# Altium PCB PCB1.PcbDoc
Units mil, origin at the board's own origin, x right, y up, seen from the top; angles counter-clockwise.
Board outline 2725.62 x 3570.84 mil, 2 copper layers (Top Layer, Bottom Layer), stack 61.756 mil thick; 101 components, 59 nets, 327 pads, 390 vias.
Unrouted connection lines stored in the file: 285.
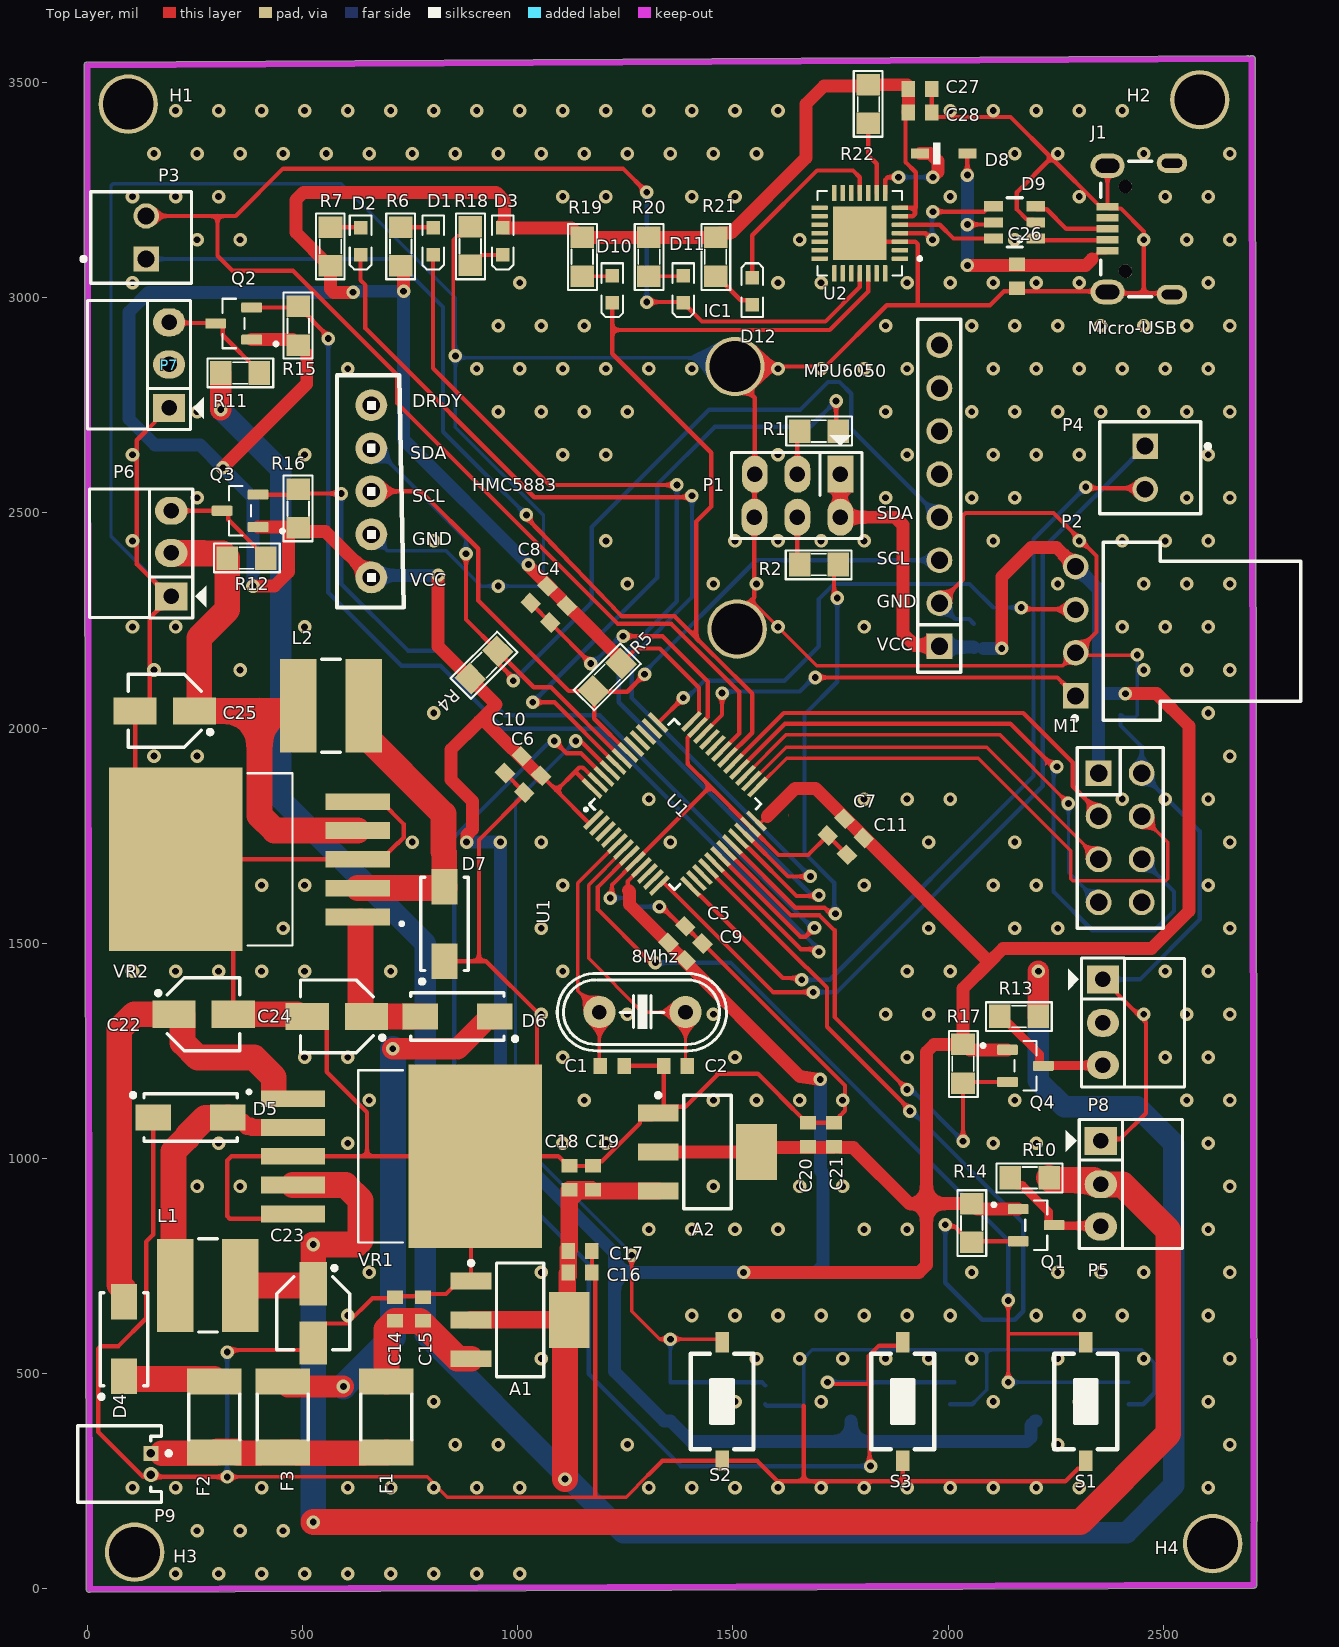
[diagram p0: Top Layer view]
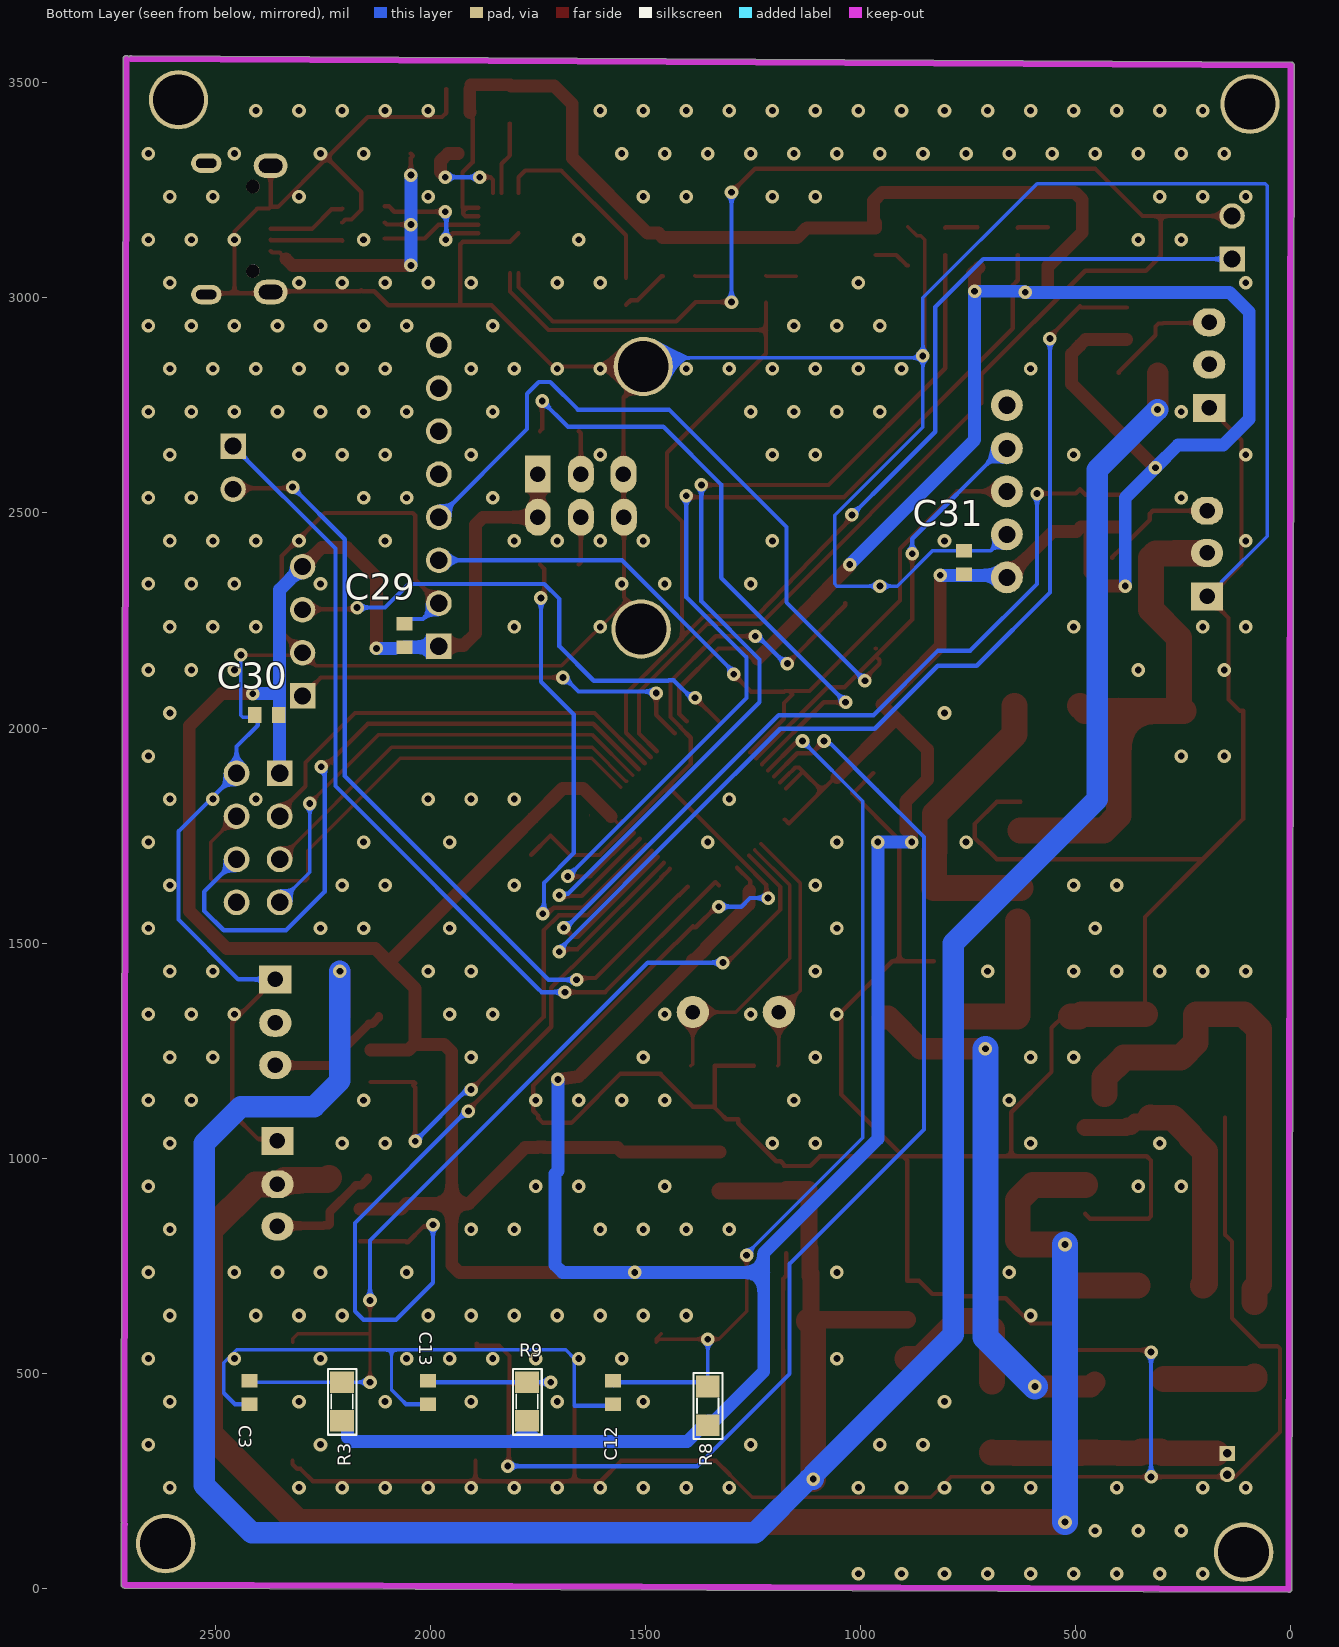
[diagram p1: Bottom Layer view, seen from below]

## Layer stack, top to bottom
Top Solder: solder mask 1, SM-001, Dk 4
Top Layer: signal copper 1.378
Dielectric 1: core 59, Core-043, Dk 4.3
Bottom Layer: signal copper 1.378
Bottom Solder: solder mask 1, SM-001, Dk 4

## Board outline
-2.29,-0.81 ccw(c5.22,-0.8) 5.28,-8.31 2710.49,1.73 ccw(c2710.49,9.24) 2718,9.24 2718,149.69 ccw(c2710.49,149.69) 2716.97,153.48 ccw(c2710.59,157.46) 2718.11,157.46 ccw(c2710.59,157.46) 2718.11,157.47 2713.85,3555.02 ccw(c2706.33,3555.01) 2700.66,3559.94 ccw(c2695,3555) 2694.96,3562.51 -0.04,3547.51 ccw(c0,3540) -7.51,3539.99

## Design rules (kind name [scope] priority, off if disabled: settings)
Clearance [All] p1: gap=7.87 ignorepadtopadclearanceinfootprint=FALSE
DiffPairsRouting [All] p1: maxlimit=10 minlimit=10 mostfreqgap=10 toplayer_minwidth=8 toplayer_maxwidth=15 toplayer_prefwidth=10 bottomlayer_minwidth=8 bottomlayer_maxwidth=15 bottomlayer_prefwidth=10 maxuncoupledlength=500
PolygonConnect [All] p1: thpad.connectstyle=Relief thpad.reliefconductorwidth=10 thpad.reliefentries=4 thpad.polygonreliefangle="90 Angle" thpad.airgapwidth=10 smdpad.connectstyle=Relief smdpad.reliefconductorwidth=39 smdpad.reliefentries=4 smdpad.polygonreliefangle="90 Angle" smdpad.airgapwidth=10 via.connectstyle=Direct via.reliefconductorwidth=10 via.reliefentries=4 via.polygonreliefangle="90 Angle" via.airgapwidth=10
RoutingVias [All] p1: holewidth=15.75 width=31.5 viastyle="Through Hole" minholewidth=15.75 minwidth=31.5 maxholewidth=15.75 maxwidth=31.5
SolderMaskExpansion [All] p1: expansion=4 istentingtop=FALSE
Width [All] p1: maxlimit=60 minlimit=8 preferedwidth=10
29 further rules are at their usual default settings.

## Classes and differential pairs
component class UART_to_Micro_USB: D8 D9 D10 D11 D12 J1 R19 R20 R21 R22 U2
component class Sensor_Input: IC1 M1
component class Power_Supply: A1 A2 C14 C15 C16 C17 C18 C19 C20 C21 C22 C23 C24 C25 D3 D4 D5 D6 D7 F1 F2 F3 L1 L2 P9 R18 VR1 VR2
component class Motor_Servo: P5 P6 P7 P8 Q1 Q2 Q3 Q4 R10 R11 R12 R13 R14 R15 R16 R17
component class MCU: 8Mhz C1 C2 C3 C4 C5 C6 C7 C8 C9 C10 C11 C12 C13 D1 D2 H1 H2 H3 H4 P1 P2 P3 P4 R1 R2 R3 R4 R5 R6 R7 R8 R9 S1 S2 S3 U1
differential pair D: +D_P -D_N

## Components (designator, comment, footprint, x,y, rotation, side; value= is the part's Value field where it differs from the comment)
8Mhz "XTAL" XT2 1290,1340 r0 top
A1 "LM1117" SOT223-4N 1005.83,625 r0 top value=LM317 (schematic designator ASM1)
A2 "LM1117" SOT223-4N 1440.83,1015 r0 top value=LM317 (schematic designator ASM2)
C1 "Cap Non-Pol SMD" CAP-SM-0603 1220,1215 r180 top value="20pF, 50V"
C2 "Cap Non-Pol SMD" CAP-SM-0603 1366.74,1215 r0 top value="20pF, 50V"
C3 "Cap Non-Pol SMD" CAP-SM-0603 2420,456.19 r90 bottom value="0.1uF, 25V"
C4 "Cap Non-Pol SMD" CAP-SM-0603 1095,2265 r45 top value="4.7uF, 25V"
C5 "Cap Non-Pol SMD" CAP-SM-0603 1370,1520 r225 top value="4.7uF, 25V"
C6 "Cap Non-Pol SMD" CAP-SM-0603 1035,1870 r45 top value="4.7uF, 25V"
C7 "Cap Non-Pol SMD" CAP-SM-0603 1740,1770 r45 top value="4.7uF, 25V"
C8 "Cap Non-Pol SMD" CAP-SM-0603 1050,2310 r45 top value="4.7uF, 25V"
C9 "Cap Non-Pol SMD" CAP-SM-0603 1410,1480 r225 top value="4.7uF, 25V"
C10 "Cap Non-Pol SMD" CAP-SM-0603 990,1915 r45 top value="4.7uF, 25V"
C11 "Cap Non-Pol SMD" CAP-SM-0603 1785,1725 r45 top value="4.7uF, 25V"
C12 "Cap Non-Pol SMD" CAP-SM-0603 1575,456.19 r90 bottom value="100nF, 25V"
C13 "Cap Non-Pol SMD" CAP-SM-0603 2005,456.19 r90 bottom value="100nF, 25V"
C14 "Cap Non-Pol SMD" CAP-SM-0603 715,650 r270 top value="10uF, 25V"
C15 "Cap Non-Pol SMD" CAP-SM-0603 780,650 r270 top value="0.1uF, 25V"
C16 "Cap Non-Pol SMD" CAP-SM-0603 1145,735 r180 top value="10uF, 25V"
C17 "Cap Non-Pol SMD" CAP-SM-0603 1145,785 r180 top value="0.1uF, 25V"
C18 "Cap Non-Pol SMD" CAP-SM-0603 1120,955 r270 top value="1uF, 25V"
C19 "Cap Non-Pol SMD" CAP-SM-0603 1175,955 r270 top value="100nF, 25V"
C20 "Cap Non-Pol SMD" CAP-SM-0603 1675,1055 r270 top value="1uF, 25V"
C21 "Cap Non-Pol SMD" CAP-SM-0603 1735,1055 r270 top value="100nF, 25V"
C22 "Cap Pol SMD" "CAP ALU SIZE B" 270,1335 r0 top value="100uF, 25V"
C23 "Cap Pol SMD" "CAP ALU SIZE B" 525,640 r270 top value="1000uF, 25V"
C24 "Cap Pol SMD" "CAP ALU SIZE B" 580,1330 r180 top value="100uF, 25V"
C25 "Cap Pol SMD" "CAP ALU SIZE B" 180,2040 r180 top value="1000uF, 25V"
C26 "Cap Non-Pol SMD" CAP-SM-0603 2160,3050 r90 top value="100uF, 16V"
C27 "Cap Non-Pol SMD" CAP-SM-0603 1935,3485 r180 top value=4.7uF
C28 "Cap Non-Pol SMD" CAP-SM-0603 1935,3430 r180 top value=0.1uF
C29 "Cap Non-Pol SMD" CAP-SM-0603 2060,2215 r270 bottom value="10uF, 16V"
C30 "Cap Non-Pol SMD" CAP-SM-0603 2380,2030 r180 bottom value="10uF, 16V"
C31 "Cap Non-Pol SMD" CAP-SM-0603 760,2385 r270 bottom value="10uF, 16V"
D1 "LED SMD" LED_0603_Blue 803.49,3130.99 r270 top
D2 "LED SMD" LED_0603_Blue 635,3130.99 r270 top
D3 "LED SMD" LED_0603_Blue 965,3130.99 r270 top
D4 "D Schottky" SS34 85,580 r90 top
D5 "D Schottky" SS34 240,1095 r0 top
D6 "D Schottky" SS34 860,1330 r180 top
D7 "D Schottky" SS34 830,1545 r90 top
D8 "1N4148WS" SODFL2512X100N 1990,3335 r0 top
D9 "USBLC6-2SC6" WE-TVS_SOT23-6L 2155,3175 r90 top
D10 "LED SMD" LED_0603_Blue 1220,3020 r270 top
D11 "LED SMD" LED_0603_Blue 1385,3020 r270 top
D12 "LED SMD" LED_0603_Blue 1545,3015 r90 top
F1 "Fuse" "FUSE SMD" 695,399.14 r90 top
F2 "Fuse" "FUSE SMD" 295,399.14 r90 top
F3 "Fuse" "FUSE SMD" 453.8,399.14 r90 top
H1 "Hole" "LO KHOAN 3MM" 95,3450 r0 top
H2 "Hole" "LO KHOAN 3MM" 2585,3460 r0 top
H3 "Hole" "LO KHOAN 3MM" 110,85 r0 top
H4 "Hole" "LO KHOAN 3MM" 2615,105 r0 top
IC1 "MPU6050" MPU6050_H 1685,2410 r90 top locked
J1 "629105150521" 629105150521 2485,3160 r90 top
L1 "3.3uH, 3.7A" WE-PD2A_5848 280,705 r0 top
L2 "3.3uH, 3.7A" WE-PD2A_5848 566.22,2051.81 r180 top
M1 "NRF24L01" NRF24L01 2400,1745 r270 top
P1 "Header 3X2" JP3x2 1650,2540 r180 top
P2 "61900411021" 61900411021 2590,2225 r90 top
P3 "61900211121" 61900211121 125,3140 r270 top
P4 "61900211121" 61900211121 2470,2605 r90 top
P5 "Header 3H" JP3H 2355,1041 r270 top
P6 "Header 3H" JP3H 195,2306 r90 top
P7 "Header 3H" JP3H 190,2744 r90 top
P8 "Header 3H" JP3H 2360,1416 r270 top
P9 "653002117322" 653002117322 75,290 r270 top
Q1 "2N7002" SOT95P240X111-3N 2205,845 r0 top
Q2 "2N7002" SOT95P240X111-3N 340,2940 r180 top
Q3 "2N7002" SOT95P240X111-3N 355,2505 r180 top
Q4 "2N7002" SOT95P240X111-3N 2180,1215 r0 top
R1 "RESISTOR SMD" RES-SM-0805 1745,2690 r180 top value=100K
R2 "RESISTOR SMD" RES-SM-0805 1655,2380 r0 top value=100K
R3 "RESISTOR SMD" RES-SM-0805 2205,390 r90 bottom value=10K
R4 "RESISTOR SMD" RES-SM-0805 890,2115 r45 top value=10K
R5 "RESISTOR SMD" RES-SM-0805 1240,2150 r225 top value=10K
R6 "RESISTOR SMD" RES-SM-0805 728.49,3164 r270 top value=330R
R7 "RESISTOR SMD" RES-SM-0805 565,3164 r270 top value=330R
R8 "RESISTOR SMD" RES-SM-0805 1355,380 r90 bottom value=10K
R9 "RESISTOR SMD" RES-SM-0805 1775,390 r90 bottom value=10K
R10 "RESISTOR SMD" RES-SM-0805 2145,955 r0 top value=10K
R11 "RESISTOR SMD" RES-SM-0805 400,2825 r180 top value=10K
R12 "RESISTOR SMD" RES-SM-0805 415,2395 r180 top value=10K
R13 "RESISTOR SMD" RES-SM-0805 2120,1330 r0 top value=10K
R14 "RESISTOR SMD" RES-SM-0805 2055,805 r90 top value=10K
R15 "RESISTOR SMD" RES-SM-0805 490,2980 r270 top value=10K
R16 "RESISTOR SMD" RES-SM-0805 490,2555 r270 top value=10K
R17 "RESISTOR SMD" RES-SM-0805 2035,1175 r90 top value=10K
R18 "RESISTOR SMD" RES-SM-0805 890,3075 r90 top value=330R
R19 "RESISTOR SMD" RES-SM-0805 1150,3050 r90 top value=330R
R20 "RESISTOR SMD" RES-SM-0805 1305,3050 r90 top value=330R
R21 "RESISTOR SMD" RES-SM-0805 1460,3050 r90 top value=330R
R22 "RESISTOR SMD" RES-SM-0805 1815,3495 r270 top value=4.7K
S1 "Tact SW - 2Pin" SW-SMD 2320,435 r90 top
S2 "Tact SW - 2Pin" SW-SMD 1475,435 r90 top
S3 "Tact SW - 2Pin" SW-SMD 1895,435 r90 top
U1 "STM32F103C8T6" LQFP48 1176.71,1786.71 r315 top
U2 "CP2102" QFN50P500X500X100-29N 1795,3150 r180 top
VR1 "LM2576HVS-5.0/NOPB." TO170P1524X483-6N 730,1005 r0 top
VR2 "LM2576HVS-5.0/NOPB." TO170P1524X483-6N 376.26,1695 r180 top
? "HMC5883L" HMC5883L 950,2550 r180 top

## Footprints (in the part's own frame and the unit in brackets; to place one, negate y for a bottom-side part, rotate by r counter-clockwise, add the part's x,y. Pads: shape width x height; smd on the part's side, far side on the other; paste and mask are expansions set on the pad)
61900211121 [mm] "2.54mm Male Locking Header, 2p"
  rect 1.5x1.5 hole 1: 1(1.27,0.3)
  round 1.5 hole 1: 2(-1.27,0.3)
  silkscreen extent -2.71,-3.52 2.71,2.98, body extent -2.54,-2.9 2.54,2.9, height 11.53
61900411021 [mm] "2.54mm Male Left Angled Header Bottom Locking, 4p"
  rect 1.5x1.5 hole 1: 1(-3.81,7.45)
  round 1.5 hole 1: 2(-1.27,7.45) 3(1.27,7.45) 4(3.81,7.45)
  silkscreen extent -5.26,-5.82 5.25,7.62, body extent -5.08,-5.75 5.08,7.77, height 5.83
629105150521 [mm] "Micro USB 2.0 SMT Type B Horizontal 5 Contacts High Current"
  rect 0.45x1.3 smd: 1(-1.3,2.9) 2(-0.65,2.9) 3(0,2.9) 4(0.65,2.9) 5(1.3,2.9)
  round 0.8 hole 0.8 unplated: MH1(-2.5,1.85) MH2(2.5,1.85)
  oval 1.15x1.8 hole 0.55 slot 1.2 at 90 deg: Shell(-3.875,-0.9) Shell(3.875,-0.9)
  oval 1.45x2 hole 0.85 slot 1.4 at 90 deg: Shell(-3.725,2.9) Shell(3.725,2.9)
  silkscreen extent -4,0.3 4,3.3, body extent -4,-3.3 4,3.3, height 2.75
653002117322 [mm] "1.25mm Male Horizontal Shrouded Header, 2p"
  rect 0.9x0.9 hole 0.5: 1(-0.625,1.85)
  round 0.9 hole 0.5: 2(0.625,1.85)
  silkscreen extent -2.25,-2.47 2.25,3.02, body extent -2.12,-2.35 2.12,2.35, height 3.53
"CAP ALU SIZE B" [mm] "Capacitor, Aluminium Electrolytric, 4.3mm L X 4.3mm W X 5.4mm H, IPC Medium Density"
  rect 2.55x1.6 smd: 1(-1.75,0) 2(1.75,0)
  silkscreen extent -2.8,-2.15 2.15,2.15, body extent -2.75,-2.25 2.75,2.25, height 5.7
CAP-SM-0603 [mm] "SMD Ceramic Capacitor Size 0603"
  rect 0.8x0.95 smd: 1(-0.7,0) 2(0.7,0)
  body extent -0.85,-0.45 0.85,0.45, height 0.6
"FUSE SMD" [mm] "SMD FUSE"
  rect 1.55x3.21 smd: 1(-2.1,0) 2(2.1,0)
  silkscreen extent -1.35,-1.5 1.35,1.51, body extent -2.37,-1.71 2.36,1.71, height 0.75
HMC5883L [mil]
  round 74 hole 40: 1(290,200) 2(290,100) 3(290,0) 4(290,-100) 5(290,-200)
  silkscreen extent 215,-270 370,270
JP3H [mil]
  rect 65x75 hole 36: 1(0,0)
  oval 65x75 hole 36: 2(101,0) 3(199,0)
  silkscreen extent -50,-81 250,190, body extent -47,-15 245,424, height 99
JP3x2 [mil] "Connector 3x2"
  rect 60x86 hole 36: 1(-100,-50)
  oval 60x86 hole 36: 2(0,-50) 3(99,-50) 4(-100,50) 5(0,50) 6(100,50)
  silkscreen extent -150,-141 153,100, body extent -150,-100 150,100, height 335
LED_0603_Blue [mm] "Chip LED, 2-Leads, Body 1.6x0.8mm, IPC Medium Density"
  rect 0.8x0.8 smd: 1(-0.8,0) 2(0.8,0)
  silkscreen extent -1.52,-0.64 1.65,0.64, body extent -0.8,-0.4 0.8,0.4, height 0.7
"LO KHOAN 3MM" [mil]
  round 138 hole 118.1: 1(0,0)
LQFP48 [mm] "CQFP, 148-Leads, Body 33.75x33.75mm, Pitch 0.64mm, IPC Medium Density"
  rect 0.27x1.5 smd: 1(-0.025,-0.001) 2(0.475,-0.001) 3(0.975,-0.001) 4(1.475,-0.001) 5(1.975,-0.001) 6(2.475,-0.001) 7(2.975,-0.001) 8(3.475,-0.001) 9(3.975,-0.001) 10(4.475,-0.001) 11(4.975,-0.001) 12(5.475,-0.001) 25(5.475,8.199) 26(4.975,8.199) 27(4.475,8.199) 28(3.975,8.199) 29(3.475,8.199) 30(2.975,8.199) 31(2.475,8.199) 32(1.975,8.199) 33(1.475,8.199) 34(0.975,8.199) 35(0.475,8.199) 36(-0.025,8.199)
  rect 1.5x0.27 smd: 13(6.825,1.249) 14(6.825,1.749) 15(6.825,2.249) 16(6.825,2.749) 17(6.825,3.249) 18(6.825,3.749) 19(6.825,4.249) 20(6.825,4.749) 21(6.825,5.249) 22(6.825,5.749) 23(6.825,6.249) 24(6.825,6.749) 37(-1.375,6.749) 38(-1.375,6.249) 39(-1.375,5.749) 40(-1.375,5.249) 41(-1.375,4.749) 42(-1.375,4.249) 43(-1.375,3.749) 44(-1.375,3.249) 45(-1.375,2.749) 46(-1.375,2.249) 47(-1.375,1.749) 48(-1.375,1.249)
  silkscreen extent -0.85,0.05 6.32,7.65, body extent -1.77,-0.49 7.23,8.51, height 1.55
MPU6050_H [mm]
  rect 1.52x1.52 hole 1.02: 1(-5.588,-7.493)
  round 3.5 hole 3: 2(-4.572,4.445) 2(10.922,4.572)
  round 1.52 hole 1.02: 2(-3.048,-7.493) 3(-0.508,-7.493) 4(2.032,-7.493) 5(4.572,-7.493) 6(7.112,-7.493) 7(9.652,-7.493) 8(12.192,-7.493)
  silkscreen extent -7.11,-8.76 13.71,-6.22, body extent -7.37,-8.76 13.74,7.11, height 14.54
NRF24L01 [mm]
  rect 1.52x1.52 hole 1.02: 1(-3.81,-1.27)
  round 1.52 hole 1.02: 2(-1.27,-1.27) 3(1.27,-1.27) 4(3.81,-1.27) 5(3.81,1.27) 6(1.27,1.27) 7(-1.27,1.27) 8(-3.81,1.27)
  silkscreen extent -5.33,-2.54 5.33,2.54, body extent -5.85,-2.79 9.15,26.21, height 15.4
QFN50P500X500X100-29N [mm]
  rrect25% 0.97x0.26 smd: 1(-2.37,1.5) 2(-2.37,1) 3(-2.37,0.5) 4(-2.37,0) 5(-2.37,-0.5) 6(-2.37,-1) 7(-2.37,-1.5) 15(2.37,-1.5) 16(2.37,-1) 17(2.37,-0.5) 18(2.37,0) 19(2.37,0.5) 20(2.37,1) 21(2.37,1.5)
  rrect25% 0.26x0.97 smd: 8(-1.5,-2.37) 9(-1,-2.37) 10(-0.5,-2.37) 11(0,-2.37) 12(0.5,-2.37) 13(1,-2.37) 14(1.5,-2.37) 22(1.5,2.37) 23(1,2.37) 24(0.5,2.37) 25(0,2.37) 26(-0.5,2.37) 27(-1,2.37) 28(-1.5,2.37)
  rect 3.15x3.15 smd paste-0.575: 29(0,0)
  silkscreen extent -3.64,-2.5 2.5,2.5
RES-SM-0805 [mil]
  rect 50x55 smd: 1(0,0) 2(90,0)
  silkscreen extent -32,-34 121,33, body extent 6,-25 84,25, height 31
SODFL2512X100N [mm]
  rect 1.05x0.6 smd: A(1.4,0) C(-1.4,0)
  silkscreen extent -0.63,-0.63 -0.2,0.63, body extent -1.25,-0.63 1.25,0.63, height 1.1
SOT95P240X111-3N [mm]
  rrect25% 1.23x0.6 smd: 1(-1.06,0.95) 2(-1.06,-0.95) 3(1.06,0)
  silkscreen extent -2.6,-1.46 0.65,1.46, body extent -1.2,-1.45 1.2,1.45, height 1.11
SOT223-4N [mm] "SOT223, 4-Leads, Body 6.5x3.5mm, Pitch 2.3mm, Lead Span 7mm, IPC Medium Density"
  rect 2.4x1 smd: 1(-2.9,2.3) 2(-2.9,0) 3(-2.9,-2.3)
  rect 2.4x3.3 smd: 4(2.9,0)
  silkscreen extent -3.02,-3.35 1.4,3.47, body extent -3.39,-3.27 3.5,3.23, height 1.72
SS34 [mm] "DO-214-AC/SMA Molded Diode, Body 5.3x2.6mm, IPC Medium Density"
  rect 2.1x1.55 smd: 1(-2.2,0) 2(2.2,0)
  silkscreen extent -3.52,-1.4 2.75,1.45, body extent -2.75,-1.4 2.75,1.4, height 2.3
SW-SMD [mm] "Switch SMD type"
  rect 1.2x0.8 smd: 1(-3.5,0) 2(3.5,0)
  silkscreen extent -2.82,-1.85 2.82,1.85, body extent -3.05,-1.85 3.05,1.85, height 2.5
TO170P1524X483-6N [mm]
  rect 3.79x0.99 smd: 1(-6.4,3.4) 2(-6.4,1.7) 3(-6.4,0) 4(-6.4,-1.7) 5(-6.4,-3.4)
  rect 7.88x10.84 smd paste-6: 6(4.35,0)
  silkscreen extent -9.1,-5.08 0.09,5.08, body extent -7.18,-5.08 7.18,5.08, height 4.65
WE-PD2A_5848 [mm] "SMD Power Inductor, body 5.8x5.2mm"
  rect 2.15x5.5 smd: 1(-1.925,0) 2(1.925,0)
  silkscreen extent -0.55,-2.75 0.55,2.75, body extent -2.9,-2.6 2.89,2.6, height 4.5
WE-TVS_SOT23-6L [mm] "TVS Diode, package SOT23-6L"
  rect 0.6x1.1 smd: 1(-0.95,-1.25) 2(0,-1.25) 3(0.95,-1.25) 4(0.95,1.25) 5(0,1.25) 6(-0.95,1.25)
  silkscreen extent -1.45,-0.45 1.45,0.45, body extent -1.45,-1.4 1.45,1.4, height 1.16
XT2 [mil] "Footpin for Crystal 2 pin"
  round 75 hole 34: 1(-100,0) 2(100,0)
  silkscreen extent -198,-90 195,90, body extent -233,-93 213,90, height 138
